# Altium PCB PCB.PcbDoc (part 1 of 2) (continued)
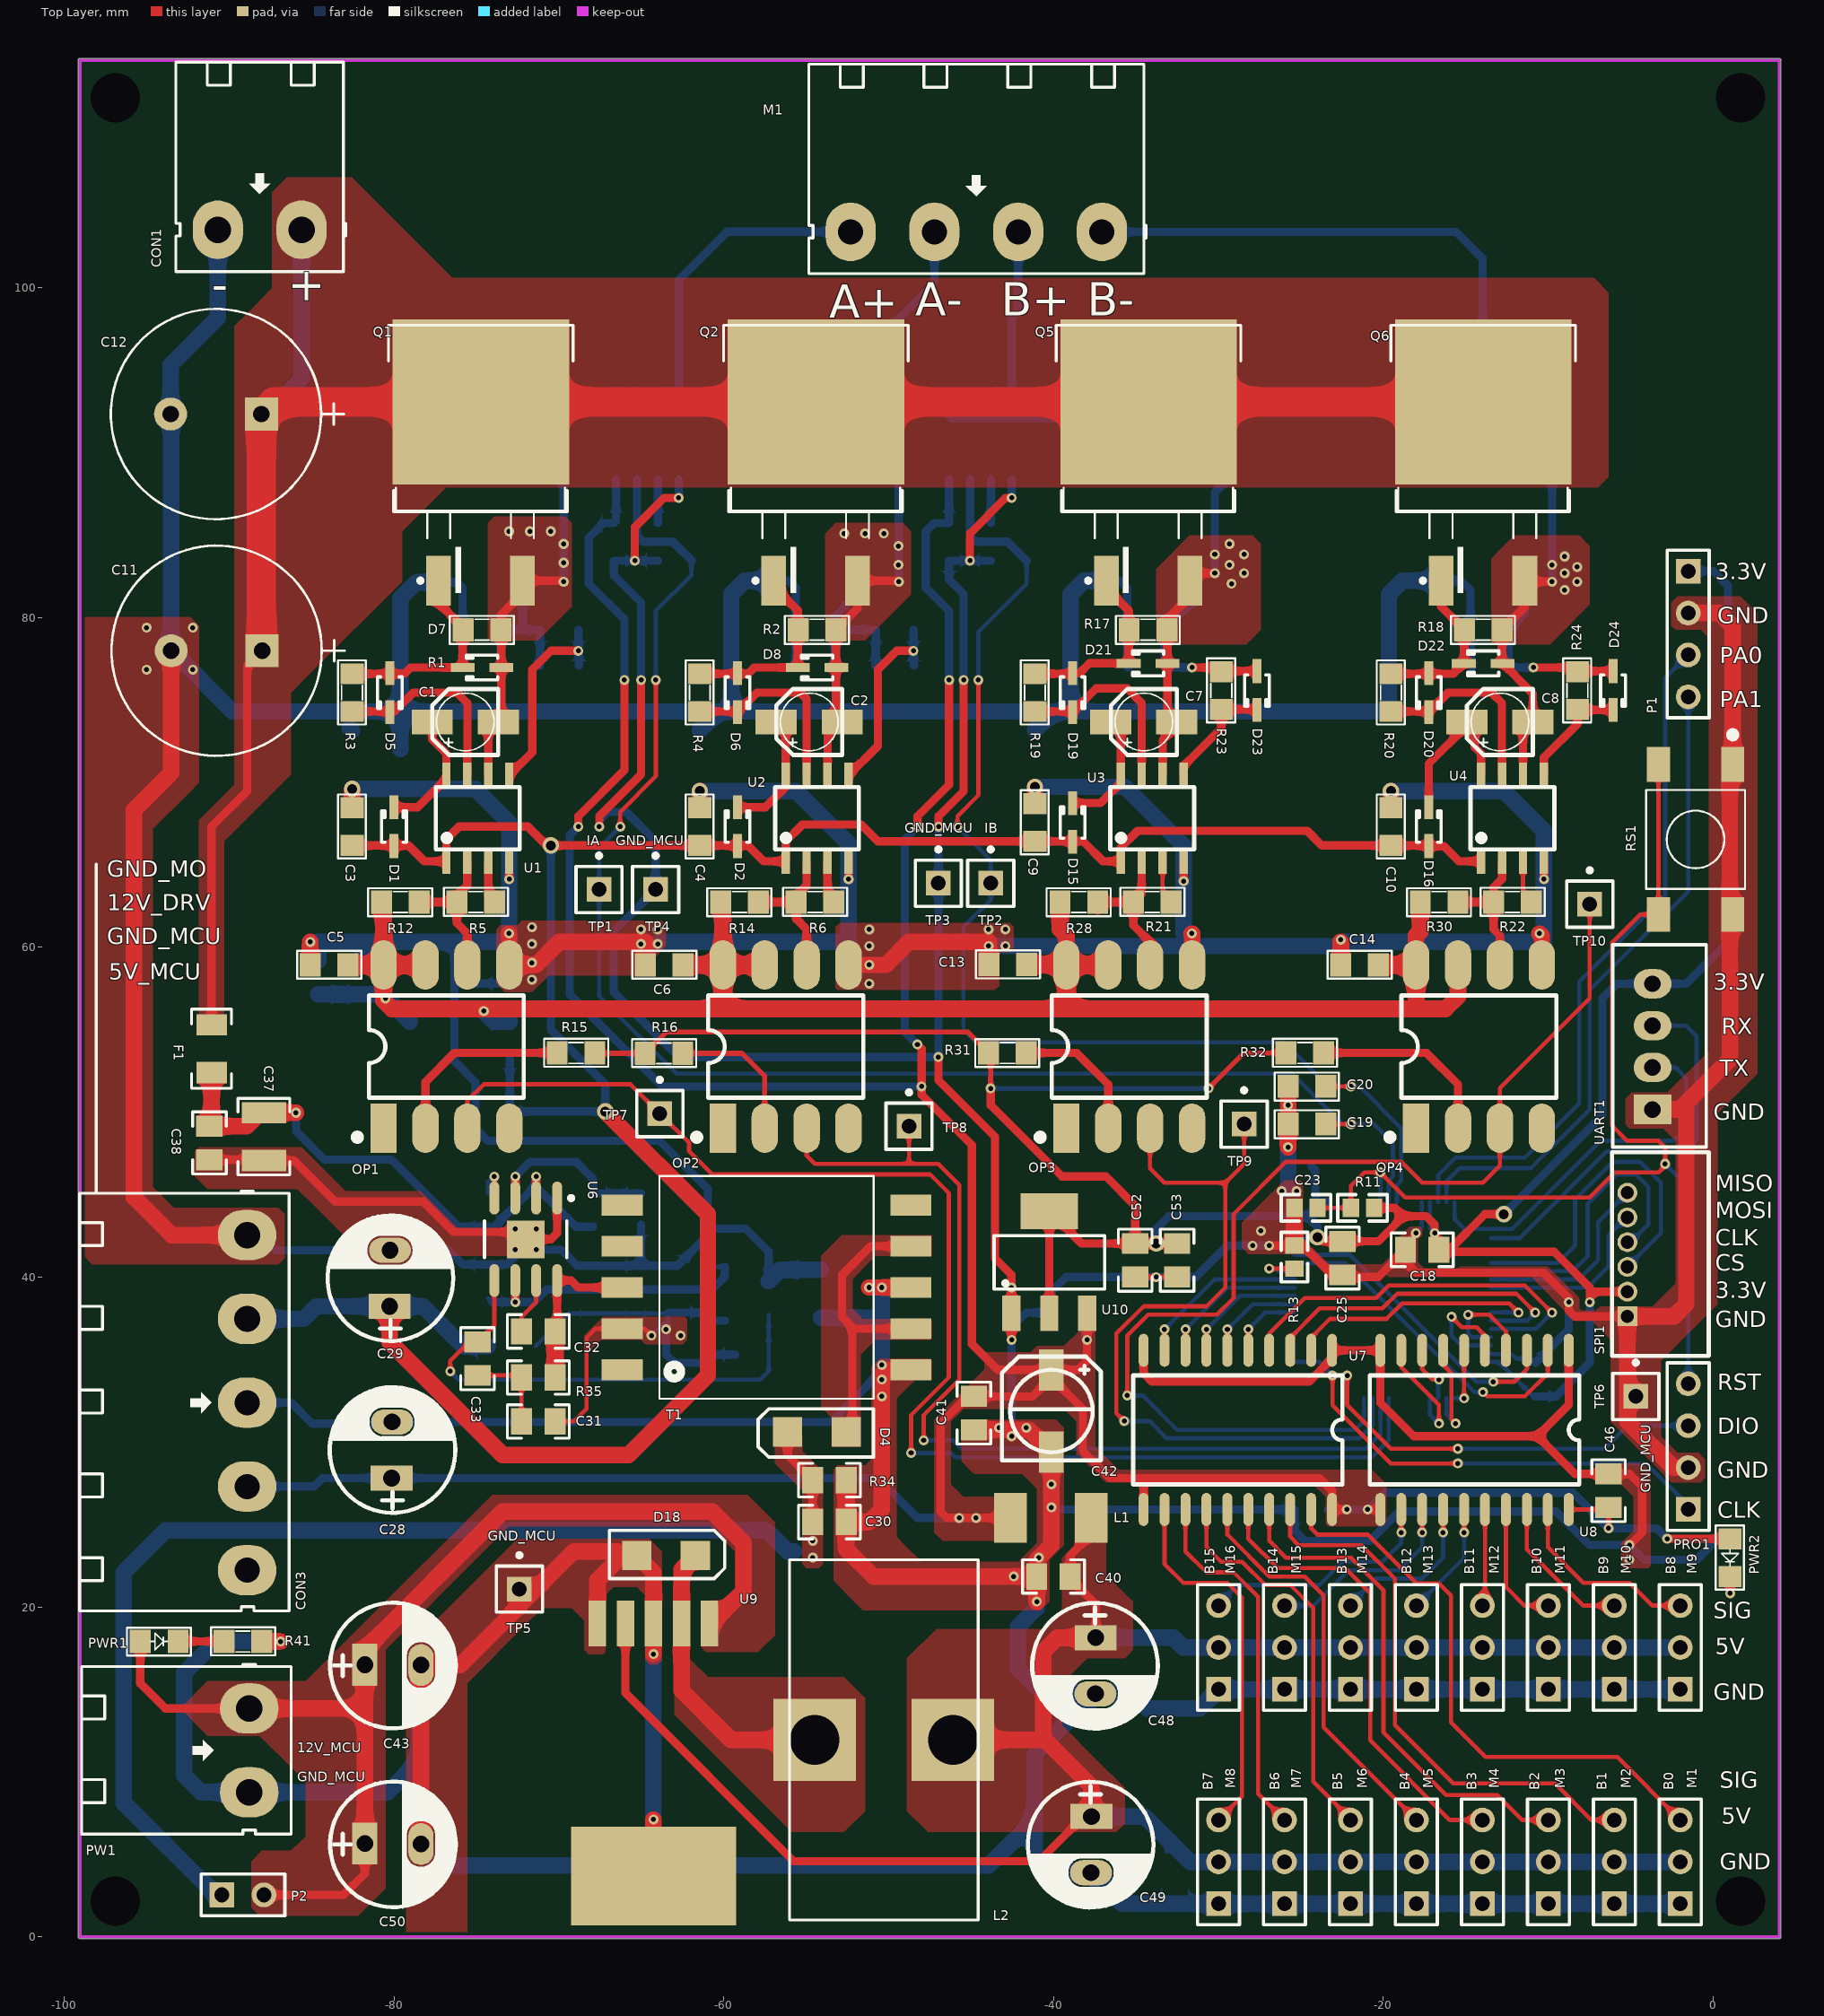
[diagram p0: Top Layer view]
## Footprints (in the part's own frame and the unit in brackets; to place one, negate y for a bottom-side part, rotate by r counter-clockwise, add the part's x,y. Pads: shape width x height; smd on the part's side, far side on the other; paste and mask are expansions set on the pad)
0603_Cap [mm]
  rect 1x1.1 smd: 1(-0.762,0) 2(0.638,0)
  silkscreen extent -1.56,-0.8 1.44,0.8, body extent -0.88,-0.4 0.72,0.4, height 0.8
0603_R [mm]
  rect 1x1.1 smd: 1(-0.7,0) 2(0.7,0)
  silkscreen extent -1.5,-0.8 1.5,0.8, body extent -0.79,-0.38 0.81,0.42, height 0.45
0805_hv [mil] "0805 with 30mil clearance between pads"
  rect 50x63 smd: 1(-40,0) 2(40,0)
  silkscreen extent -74,-40 74,40, body extent -43,-29 43,29, height 57
0805_HV [mil] "0805 with 30mil clearance between pads"
  rect 50x63 smd: 1(-40,0) 2(40,0)
  silkscreen extent -74,-40 74,40, body extent -43,-29 43,29, height 57
1206 [mm] "1206 from SM-752 data"
  rect 1.3x1.85 smd: 1(1.45,0) 2(-1.45,0)
  silkscreen extent -2.4,-1.21 2.4,1.21, body extent -1.7,-0.9 1.7,0.9, height 1.35
1210 [mm] "1210 from SM-752 data"
  rect 1.3x2.7 smd: 1(1.45,0) 2(-1.45,0)
  silkscreen extent -2.32,-1.57 2.32,1.57, body extent -1.7,-1.35 1.7,1.35, height 1.35
"CAP_12.5 X 25" [mm] "0805 with 30mil clearance between pads"
  rect 2x2 hole 1 mask-25.4: 1(-2.756,0)
  round 2 hole 1 mask-25.4: 2(2.756,0)
  silkscreen extent -7.77,-6.37 6.37,6.37, body extent -6.25,-6.24 6.23,6.24, height 24.99
"CON 2 EDG 5.08" [mil]
  oval 120x140 hole 62.99: 1(-100,0) 2(100,0)
  silkscreen extent -205,-400 200,100, body extent -197,-399 197,73, height 334
"Con 4 EDG 5.08" [mil]
  oval 120x140 hole 60: 1(-300,0) 2(-100,0) 3(100,0) 4(300,0)
  silkscreen extent -405,-400 400,100, body extent -396,-402 397,70, height 334
"Con 5 EDG 5.08" [mil]
  oval 120x140 hole 62.99: 1(-400,0) 2(-200,0)
  oval 120x140 hole 60: 3(0,0) 4(200,0) 5(400,0)
  silkscreen extent -505,-400 497,100, body extent -498,-403 498,69, height 334
CP1/3.0 [mil]
  rect 60x100 hole 40: 1(-67,0.5)
  oval 60x100 hole 40: 2(67,-0.5)
  silkscreen extent -150,-152 150,148, body extent -156,-161 159,154, height 453
D2PAK_M_1 [mm]
  rect 3x1.5 smd: 1(-5.225,2.54) 3(-5.225,-2.54)
  rect 10x10.7 smd: 2(5.613,-0.025)
  silkscreen extent -5.97,-5.62 10.27,5.58, body extent -5.97,-5.16 9.77,5.12, height 4.58
HDR1X2 [mm] "Connector; Header; 2 Position"
  rect 1.5x1.5 hole 0.9: 1(0,0)
  round 1.5 hole 0.9: 2(2.54,0)
  silkscreen extent -1.27,-1.27 3.81,1.27
HDR1X3 [mm] "Connector; Header; 3 Position"
  rect 1.5x1.5 hole 0.9: 1(0,0)
  round 1.5 hole 0.9: 2(2.54,0) 3(5.08,0)
  silkscreen extent -1.27,-1.27 6.35,1.27
HDR1X4 [mm] "Connector; Header; 4 Position"
  rect 1.5x1.5 hole 0.9: 1(0,0)
  round 1.5 hole 0.9: 2(2.54,0) 3(5.08,0) 4(7.62,0)
  silkscreen extent -1.27,-1.27 8.89,1.27
"HEADER 4" [mil]
  rect 70x90 hole 39.37 unplated: 1(-150,0)
  oval 70x90 hole 39.37 unplated: 2(-50,0) 3(50,0) 4(150,0)
  silkscreen extent -240,-128 243,95
IND_2118-V-RC [mm] "INDUCTOR,2 LEAD,VERTICAL MOUNT,8.382mm PITCH,TH"
  rect 5x5 hole 3: 1(-4.191,0) 2(4.191,0)
  silkscreen extent -5.71,-10.92 5.71,10.92, body extent -5.71,-10.92 5.71,10.92, height 21.84
"Inductor 4.5x5" [mm]
  rect 2x3 smd: 1(2.2,-0.1) 2(-2.7,-0.1)
  body extent -2.6,-2.6 2.2,2.2, height 2
"Jump 4" [mm]
  rect 1.5x1.5 hole 0.9: 1(-3.81,0)
  round 1.5 hole 0.9: 2(-1.27,0) 3(1.27,0) 4(3.81,0)
  silkscreen extent -5.08,-1.27 5.08,1.27, body extent -5.08,-1.27 5.08,1.27, height 7
LED_0805 [mil]
  rect 50x55 smd: 1(-45,0) 2(45,0)
  silkscreen extent -77,-34 76,33, body extent -41,-16 41,20, height 33
LQFP64 [mm] "LQFP64"
  rect 0.3x1.6 smd: 1(-3.75,-5.95) 2(-3.25,-5.95) 3(-2.75,-5.95) 4(-2.25,-5.95) 5(-1.75,-5.95) 6(-1.25,-5.95) 7(-0.75,-5.95) 8(-0.25,-5.95) 9(0.25,-5.95) 10(0.75,-5.95) 11(1.25,-5.95) 12(1.75,-5.95) 13(2.25,-5.95) 14(2.75,-5.95) 15(3.25,-5.95) 16(3.75,-5.95) 33(3.75,5.95) 34(3.25,5.95) 35(2.75,5.95) 36(2.25,5.95) 37(1.75,5.95) 38(1.25,5.95) 39(0.75,5.95) 40(0.25,5.95) 41(-0.25,5.95) 42(-0.75,5.95) 43(-1.25,5.95) 44(-1.75,5.95) 45(-2.25,5.95) 46(-2.75,5.95) 47(-3.25,5.95) 48(-3.75,5.95)
  rect 1.6x0.3 smd: 17(5.95,-3.75) 18(5.95,-3.25) 19(5.95,-2.75) 20(5.95,-2.25) 21(5.95,-1.75) 22(5.95,-1.25) 23(5.95,-0.75) 24(5.95,-0.25) 25(5.95,0.25) 26(5.95,0.75) 27(5.95,1.25) 28(5.95,1.75) 29(5.95,2.25) 30(5.95,2.75) 31(5.95,3.25) 32(5.95,3.75) 49(-5.95,3.75) 50(-5.95,3.25) 51(-5.95,2.75) 52(-5.95,2.25) 53(-5.95,1.75) 54(-5.95,1.25) 55(-5.95,0.75) 56(-5.95,0.25) 57(-5.95,-0.25) 58(-5.95,-0.75) 59(-5.95,-1.25) 60(-5.95,-1.75) 61(-5.95,-2.25) 62(-5.95,-2.75) 63(-5.95,-3.25) 64(-5.95,-3.75)
  silkscreen extent -4.82,-4.78 4.77,4.8, body extent -6.02,-6 5.98,6, height 1.46
MRA08A_N [mm] "SOIC, 8-Leads, Body 4.9x3.9mm, Pitch 1.27mm, Exposed Pad, IPC Medium Density"
  oval 2x0.6 smd: 1(-2.5,1.905) 2(-2.5,0.635) 3(-2.5,-0.635) 4(-2.5,-1.905) 5(2.5,-1.905) 6(2.5,-0.635) 7(2.5,0.635) 8(2.5,1.905)
  rect 2.29x2.29 smd: 9(0,0)
  silkscreen extent -2.62,-2.5 1.1,2.88, body extent -2,-2.5 2,2.5, height 1.68
PIN1 [mm] "Generic Antenna; 1 Lead"
  rect 1.5x1.5 hole 0.9: 1(0,0)
  silkscreen extent -1.4,-1.4 1.4,2.17
POE13P [mm] "POE13P"
  rect 2.5x1.27 smd paste+0: 1(-8.75,-5) 2(-8.75,-2.5) 3(-8.75,0) 4(-8.75,2.5) 5(-8.75,5) 6(8.75,5) 7(8.75,2.5) 8(8.75,0) 9(8.75,-2.5) 10(8.75,-5)
  silkscreen extent -6.5,-6.75 6.5,6.75
"SMD Button 6X6" [mm]
  rect 2.1x1.4 smd: 1(-5.083,2.174) 2(4.017,2.174) 3(-5.083,-2.326) 4(4.017,-2.326)
  silkscreen extent -7.08,-3.08 2.47,2.92, body extent -5.66,-3.13 4.34,2.87, height 4.98
SMD-8_6.3MM [mm]
  rect 3x1.6 smd: 1(0,0)
  oval 3x1.6 smd: 2(0,-2.54) 3(0,-5.08) 4(0,-7.62) 5(9.901,-7.62) 6(9.901,-5.08) 7(9.901,-2.54) 8(9.901,0)
  silkscreen extent -0.75,-8.51 8.05,1.79, body extent -0.07,-8.76 10.23,1.15, height 5.08
SOD123 [mil]
  rect 70x70 smd: 1(35,25) 2(-105,25)
  silkscreen extent -175,-35 100,80, body extent -139,-29 66,73, height 95
SOD-123 [mm] "On Semi recommended land pattern"
  rect 0.915x1.22 smd: 1(-1.637,0) 2(1.637,0)
  silkscreen extent -2.75,-1.17 2.03,1.17, body extent -1.93,-0.9 1.93,0.9, height 1.35
SOD-323 [mm] "SOD-323/SC-76; 2 Leads; Body 1.7 x 1.3 mm, (LxW)"
  rect 1.45x0.55 smd: 1(-1.175,0) 2(1.175,0)
  silkscreen extent -0.95,-0.75 0.95,0.75
SOIC-20 [mm]
  oval 2x0.6 smd: 1(-4.826,5.715) 2(-4.826,4.445) 3(-4.826,3.175) 4(-4.826,1.905) 5(-4.826,0.635) 6(-4.826,-0.635) 7(-4.826,-1.905) 8(-4.826,-3.175) 9(-4.826,-4.445) 10(-4.826,-5.715) 11(4.826,-5.715) 12(4.826,-4.445) 13(4.826,-3.175) 14(4.826,-1.905) 15(4.826,-0.635) 16(4.826,0.635) 17(4.826,1.905) 18(4.826,3.175) 19(4.826,4.445) 20(4.826,5.715)
  silkscreen extent -3.3,-6.35 3.3,6.35, body extent -5.31,-6.5 5.31,6.5, height 2.56
"SOP 8" [mil]
  rect 20x60 smd: 1(-75,-102.5) 2(-25,-102.5) 3(25,-102.5) 4(75,-102.5) 5(75,102.5) 6(25,102.5) 7(-25,102.5) 8(-75,102.5)
  silkscreen extent -100,-74 100,74, body extent -98,-120 100,117, height 63
SOT223 [mm] "SOT-223/SC-73; 4 Leads; Body 6.7 x 7.3 mm, inc. leads (LxW max)"
  rect 1.1x2.15 smd: 1(-2.3,-3.1) 2(0,-3.1) 3(2.3,-3.1)
  rect 3.5x2.15 smd: 4(0,3.1)
  silkscreen extent -3.35,-1.63 3.35,1.63, body extent -3.43,-1.65 3.43,1.65, height 2.54
TO263-5 [mm] "LM2576-SMD"
  rect 1.07x2.75 smd: 1(-3.4,-0.025) 2(-1.7,-0.025) 3(0,-0.025) 4(1.7,-0.025) 5(3.4,-0.025)
  rect 10x6 smd: 6(0,15.289)
  body extent -5,-0.38 5,15.29, height 4.79
"Tro SMD 0805" [mil]
  rect 50x55 smd: 1(-45,0) 2(45,0)
  silkscreen extent -77,-34 76,33, body extent -45,-27 45,27, height 28
TU_NHOM_2.5_MH [mm]
  rect 1.5x2.5 smd: 1(0,2.5) 2(0,-2.5)
  silkscreen extent -3,-3 3,3.3, body extent -3.3,-3.5 3.3,3.5, height 8.11
TU_NHOM_10uF_MH [mm]
  rect 1.5x2.5 smd: 1(0,-2) 2(0,2)
  silkscreen extent -2,-2 2,2, body extent -2.15,-2.5 2.15,2.5, height 5.4
TU_SMD_0805 [mil]
  rect 50x55 smd: 1(-45,0) 2(45,0)
  silkscreen extent -77,-34 76,33, body extent -40,-25 40,25, height 24
"ZH 1.5 6P" [mm]
  rect 1.2x1.2 hole 0.8: 1(-3.749,0)
  round 1.2 hole 0.8: 2(-2.25,0) 3(-0.749,0) 4(0.749,0) 5(2.25,0) 6(3.749,0)
  silkscreen extent -6.15,-4.93 6.2,0.94, body extent -5.96,-4.75 6.04,0.25, height 3.71

## Part data
C1 C2 C7 C8: library part TU_NHOM_10uF_25V_MH, "TU_NHOM_10uF_25V_MH"
C3 C4 C5 C6 C9 C10 C13 C14 C15 C16 C17 C18 C19 C20 C21 C22 C23 C24 C25: library part "Capacitor 0805", "Ceramic Chip Capacitor - Standard"
C11 C12: library part "Capacitor TuHoa", "CAP ALUM 390UF 20% 50V RADIAL"
C26 C27 C40 C41 C44 C45 C46 C47 C51 C52 C53 C54: library part CM, "Cap SMD"
C28 C29 C43 C48 C49 C50: library part "Capacitor TuHoa"
C30: "CAP, CERM, 2.2 µF, 16 V, +/- 10%, X7R, 0805"
C31 C32: "CAP, CERM, 0.01 µF, 25 V, +/- 5%, C0G/NP0, 0603"
C33: "CAP, CERM, 1000 pF, 25 V, +/- 5%, C0G/NP0, 0603"
C34 C35: "CAP, CERM, 10 µF, 25 V, +/- 20%, X7R, 1210"
C36: "CAP, CERM, 1 µF, 16 V, +/- 10%, X5R, 0603"
C37: "CAP, CERM, 1 µF, 100 V, +/- 10%, X7R, 1210"
C38: "CAP, CERM, 0.1 µF, 100 V, +/- 10%, X7R, 0805"
C39: "CAP, CERM, 1000 pF, 1000 V, +/- 5%, C0G/NP0, 1210"
C42: library part TU_NHOM_220uF_25V_MH, "TU_NHOM_220uF_25V_MH"
CON1 PW1: "CON 2 EDG 5.08 (xanh cong)"
CON3: "CON 5 EDG 5.08 (xanh cong)"
D1 D2 D5 D6 D7 D8 D9 D10 D13 D14 D15 D16 D19 D20 D21 D22 D23 D24 D27 D28: library part MMDL914-TP, "Diode, Switching, 100 V, 0.2 A, SOD-323"
D4 D18: library part "Diode S4 SOD123 ( 1N5819 SOD123)_MH", "Diode S4 SOD123 ( 1N5819 SOD123)"
D17: "Diode, Schottky, 45 V, 0.1 A, SOD-523"
F1 F2: library part Res-SMD, "Resistor"
L1: library part "Inductor 4.5x5_MH"
L2: library part "Inductor Lm2576_MH", "cuon cam"
M1: library part "Header 4", "Header, 4-Pin"
M1 M2 M3 M4 M5 M6 M7 M8 M9 M10 M11 M12 M13 M14 M15 M16: "Header, 3-Pin"
OP1 OP2 OP3 OP4: library part 6N137, "6N137 DIP8 Opto 10Mbit/s"
P1: "Header, 4-Pin"
P2: library part "Header 2", "Header, 2-Pin"
PRO1 UART1: "Jump 4P 2.54"
PWR1 PWR2: library part "LED SMD_0805_MH", "LED 3mm"
Q1 Q2 Q3 Q4 Q5 Q6 Q7 Q8: "HEXFET Power MOSFET"
R1 R2 R3 R4 R5 R6 R7 R8 R9 R10 R11 R12 R13 R14 R15 R16 R17 R18 R19 R20 R21 R22 R23 R24 R25 R26 R28 R30 R31 R32: library part "R nho", "RES, 100, 1%, 0.1 W, 0402"
R34: "RES, 2.00 k, 1%, 0.1 W, 0603"
R35: "RES, 40.2 k, 1%, 0.1 W, 0603"
R36: "RES, 100 k, 1%, 0.1 W, 0603"
R37: "RES, 301 k, 1%, 0.063 W, 0603"
R38: "RES, 140 k, 0.5%, 0.1 W, 0603"
R39: "RES, 8.87 k, 1%, 0.1 W, 0603"
R40: "RES, 20.0 k, 1%, 0.1 W, 0603"
R41 R42: library part TRO_SMD_0805_MH, "TRO_SMD_0805_MH"
RS1: library part "SMD Button 6X6", "FSM4JSMA=SMT,TACTILE,PB SWITCH"
SPI1: "Jump 6P 2.54"
T1: library part POE13, "XFMR, SMT 45uH, 750314459"
TP1 TP2 TP3 TP4 TP5 TP6 TP7 TP8 TP9 TP10: library part Antenna, "Generic Antenna"
U1 U2 U3 U4: "High and Low Side Driver"
U5: library part "STM32F051R8T6 LQFP64 _MH", "STM32F051R8T6 LQFP64 _MH"
U6: "100V Constant On-Time PFET Buck Switching Controller, 8-pin PSOP, Pb-Free"
U7 U8: library part "74HC573 DIP20 IC Flip-Flop_MH", "Octal D-Type Latch with 3-State Output Non-Inverting"
U9: library part "LM2576HVS-5.0V BUCK 5V 3A TO263-5 _MH", "LM2576HVS-5.0V BUCK 5V 3A TO263-5 _MH"
U11: library part "AMS1117-3.3V SOT223 _MH", "AMS1117-3.3V SOT223 _MH"

## Free pads (board coordinates)
  round 2.3 hole 3 paste+0: 0(1.651,2.159) 1(1.651,111.506) 2(-96.901,111.506) 3(-96.901,2.159)

## Via types
v1: diameter 0.6, hole 0.3, Top Layer to Bottom Layer, tented both sides, 170 vias
v2: diameter 1, hole 0.6, Top Layer to Bottom Layer, tented both sides, 9 vias

## Nets (pads, with @x,y where several pads share a name; then routed paths per layer and width w, separated by ;. In a path a pad name is that pad's centre, name@x,y a point inside that pad or via, vN(x,y) a via of type N, cw(c..) or ccw(c..) an arc to the next point about the centre after c; other vN are vias at no path point)
5V: C16.2 C22.2 C28.1 C41.2 C42.1 C45.2 C46.2 C51.2 CON3.4 Hall1.8 Hall2.8 L1.2 PWR2.1 U7.11 U7.20 U8.11 U8.20 U10.3 | length 246.8
  Top Layer w0.254: U8.20@-8.763,25.908 -6.477,25.908 C46.2@-6.35,26.035 v1(-6.35,24.765)
  Top Layer w0.5: v1(-68.819,67.31) -68.819,67.945 -66.025,70.739 v1(-66.025,76.2) ; v1(-48.26,54.102) -48.006,53.848 v1(-48.006,51.562) -48.006,51.054 -44.958,48.006 -44.958,35.941 -43.394,34.377 C42.1@-40.132,34.377 ; v1(-48.245,67.31) -48.245,67.945 -46.34,69.85 v1(-46.34,76.2) ; L1.2@-42.619,25.4 v1(-44.704,25.4) v1(-45.72,25.4) -46.482,25.4 -46.863,25.781 -46.863,31.115 -45.212,32.766 C41.2@-44.831,32.766 -41.275,32.766 C42.1@-40.132,33.909 ; U10.3@-37.959,37.794 -37.959,36.209 v1(-37.973,36.195) -37.973,34.925 -38.521,34.377 C42.1@-40.132,34.377 ; U7.11@-34.544,25.908 -34.544,27.813 ; v1(-22.225,25.908) U7.20@-23.114,25.908 -23.114,27.051 -23.876,27.813 -34.544,27.813 ; v1(-20.955,25.908) U8.11@-20.193,25.908 ; v1(-2.794,24.13) PWR2.1@1.016,24.13 ; C42.1@-40.132,33.909 -38.227,32.004 -38.227,29.464 -36.576,27.813 -34.544,27.813 ; C42.1@-40.132,33.909 C42.1@-40.132,34.377
  Bottom Layer w0.5: CON3.4@-88.9,27.305 -84.836,27.305 -84.328,27.813 C28.1@-80.137,27.813 -50.673,27.813 -48.26,25.4 v1(-45.72,25.4) v1(-44.704,25.4) ; v1(-68.819,67.31) -69.342,66.787 -69.342,57.15 -63.754,51.562 v1(-48.006,51.562) ; Hall1.8@-66.533,88.392 -66.533,85.852 C16.2@-66.66,85.725 -67.295,85.725 -68.184,84.836 -68.184,82.042 -66.025,79.883 v1(-66.025,76.2) ; v1(-48.26,54.102) -49.022,54.864 -49.022,66.533 v1(-48.245,67.31) ; v1(-46.34,76.2) -46.34,80.391 -47.752,81.803 -47.752,85.202 -47.229,85.725 C22.2@-46.34,85.725 Hall2.8@-46.34,88.392 ; C51.2@-38.1,37.846 -38.1,36.322 v1(-37.973,36.195) ; C45.2@-23.368,25.908 v1(-22.225,25.908) v1(-20.955,25.908) -19.939,26.924 -8.509,26.924 v1(-6.35,24.765) -3.429,24.765 v1(-2.794,24.13)
12V: C43.1 C50.1 P2.2 PW1.1 PWR1.1 U9.1 | length 69.4
  Top Layer w0.5: P2.2@-87.884,2.54 -83.058,2.54 -81.763,3.835 C50.1@-81.763,5.652
  Top Layer w0.508: PWR1.1@-95.377,17.907 -95.377,15.367 -93.853,13.843 PW1.1@-88.773,13.843
  Top Layer w1: PW1.1@-88.773,13.843 -81.763,13.843 ; C50.1@-81.763,5.652 -81.763,13.843 ; C43.1@-81.763,15.875 -81.763,13.843 ; C43.1@-81.763,16.498 -81.763,17.424 -73.406,25.781 -60.706,25.781 -58.801,23.876 -58.801,20.955 -60.759,18.997 U9.1@-60.862,18.997
+3.3V: C17.2 C18.2 C24.1 C25.2 C52.2 C53.2 P1.1 R11.2 R15.1 R16.2 R31.1 R32.2 SPI1.2 U5.1 U5.13 U5.32 U5.64 U10.2 U10.4 UART1.4 | length 186.2
  Top Layer w0.254: v1(-16.891,42.672) -16.637,42.418 C18.2@-16.637,41.656
  Top Layer w0.3: R15.1@-67.818,53.594 -67.793,53.569 R16.2@-64.77,53.569 -63.475,54.864 -45.212,54.864 R31.1@-43.942,53.594 -43.815,53.467 v1(-43.815,51.435) ; v1(-30.607,51.435) -28.448,53.594 R32.2@-25.908,53.594
  Top Layer w0.5: v1(-43.815,51.435) -43.815,50.419 -39.497,46.101 -36.83,46.101 -35.052,44.323 C52.2@-35.052,42.037 ; U10.2@-40.259,37.794 U10.4@-40.259,43.994 -38.302,42.037 C52.2@-35.052,42.037 ; C53.2@-32.512,42.037 C52.2@-35.052,42.037 ; v2(-24.003,42.418) -23.749,42.164 C25.2@-22.479,42.164 -20.32,42.164 -18.796,43.688 ; R11.2@-20.571,44.196 -19.304,44.196 -18.796,43.688 ; C18.2@-16.637,41.656 -16.002,41.656 -13.843,43.815 v2(-12.7,43.815) ; v1(-7.493,38.481) -7.493,39.116 ; SPI1.2@-5.207,39.116 -7.493,39.116 ; -18.796,43.688 -17.399,43.688 -16.891,43.18 v1(-16.891,42.672) -16.891,41.783 -16.637,41.529 -9.652,41.529 -7.493,39.37 -7.493,39.116
  Bottom Layer w0.254: U5.64@-25.381,42.358 -24.063,42.358 v2(-24.003,42.418) ; U5.13@-17.181,44.558 -17.181,42.962 v1(-16.891,42.672) ; U5.32@-13.481,34.858 -13.014,34.858 -10.922,32.766 C24.1@-10.795,32.766
  Bottom Layer w0.3: v1(-43.815,51.435) v1(-30.607,51.435) ; -24.257,44.577 -24.238,44.558
  Bottom Layer w0.5: v2(-33.782,42.037) -33.782,42.926 -33.02,43.688 -24.638,43.688 ; C17.2@-24.381,46.736 -24.13,46.485 -24.13,44.704 -24.257,44.577 -24.257,44.069 -24.638,43.688 ; -24.238,44.558 -23.338,44.558 ; v2(-24.003,42.418) -24.003,43.053 -24.638,43.688 ; v2(-12.7,43.815) -6.731,49.784 -6.731,56.896 -5.842,57.785 UART1.4@-3.683,57.785 -1.651,57.785 0.889,60.325 0.889,81.915 0,82.804 P1.1@-1.524,82.804 ; C24.1@-10.795,32.766 -9.525,32.766 -7.493,34.798 v1(-7.493,38.481)
AH1: C1.2 D7.2 Hall1.1 Hall1.2 Q1.3 Q3.2 R1.2 U1.6 | length 37.8
  Top Layer w0.5: U1.6@-74.28,70.421 -74.28,73.057 C1.2@-73.677,73.66 -73.486,73.851 D7.2@-73.486,76.962 -73.486,80.169 -72.212,81.443 Q1.3@-72.212,82.227 -69.766,82.227 v1(-69.708,82.169)
  Bottom Layer w0.5: v1(-69.708,82.169) v1(-69.708,83.312) v1(-69.708,84.455) -69.708,87.92 Q3.2@-74.752,92.964 -74.117,93.599 Hall1.1@-66.533,93.599 Hall1.2@-65.263,93.599
  other v1: -73.025,85.217 -71.755,85.217 -70.485,85.217
BH1: C7.2 D21.2 Hall2.1 Hall2.2 Q5.3 Q7.2 R17.2 U3.6 | length 43.1
  Top Layer w0.5: U3.6@-33.386,70.421 -33.386,72.549 -32.275,73.66 -33.1,74.485 D21.2@-33.1,77.216 -33.1,79.915 -31.725,81.29 Q5.3@-31.725,82.227 -31.275,82.677 v1(-30.226,82.677)
  Bottom Layer w0.5: Hall2.1@-46.34,93.662 Hall2.1@-46.34,93.599 -46.34,92.202 -46.213,92.075 -45.07,92.075 ; Hall2.2@-45.07,93.662 Hall2.2@-45.07,93.599 -45.07,92.075 ; v1(-30.226,82.677) v1(-30.226,83.82) -30.226,87.564 -29.507,88.283 Q7.2@-34.29,93.066 -35.281,92.075 -45.07,92.075
  other v1: -29.21,82.042 -28.448,82.677 -29.337,83.185 -28.448,83.82 -29.337,84.455
BOOT: R13.2 U5.60 | length 3.1
  Top Layer w0.254: v1(-26.924,40.513) R13.2@-25.4,40.513
  Bottom Layer w0.254: v1(-26.924,40.513) -26.543,40.513 -26.388,40.358 U5.60@-25.381,40.358
DRV_12V: C3.2 C4.2 C9.2 C10.2 C26.2 C29.1 CON3.2 D1.2 D2.2 D15.2 D16.2 F2.2 U1.1 U2.1 U3.1 U4.1 U11.3 | length 163.2
  Top Layer w0.508: C3.2@-82.535,66.167 -79.106,66.167 -78.153,65.215 U1.1@-76.82,65.215 -76.82,66.548 -76.058,67.31 -71.867,67.31 -70.724,66.167 v2(-70.485,66.167) C4.2@-61.453,66.167 -58.532,66.167 -57.579,65.215 U2.1@-56.246,65.215 -56.246,66.421 -55.23,67.437 -51.674,67.437 -50.658,66.421 C9.2@-41.133,66.421 -38.212,66.421 -37.005,65.215 U3.1@-35.926,65.215 -35.926,66.04 -34.91,67.056 -24.623,67.056 -23.734,66.167 C10.2@-19.543,66.167 -17.289,66.167 D16.2@-17.257,66.135 -16.336,66.135 -15.415,65.215 U4.1@-14.082,65.215
  Top Layer w1: C29.1@-80.264,38.227 -80.264,36.068 -73.406,29.21 -65.786,29.21 -60.96,34.036 -60.96,43.815 v2(-67.183,50.038)
  Bottom Layer w0.508: U11.3@-72.973,53.199 -72.973,50.09 C26.2@-73.025,50.038 v2(-67.183,50.038) -67.183,51.689 -70.485,54.991 v2(-70.485,66.167)
  Bottom Layer w1: CON3.2@-88.9,37.465 -85.471,37.465 -84.709,38.227 C29.1@-80.264,38.227 -78.232,38.227 -75.819,35.814 F2.2@-74.295,35.814
GND_MCU: C15.1 C16.1 C17.1 C18.1 C19.1 C20.1 C21.1 C22.1 C23.1 C24.2 C25.1 C28.2 C30.2 C39.1 C40.1 C41.1 C42.2 C43.2 C44.1 C45.1 C46.1 C47.1 C48.2 C49.2 C50.2 C51.1 C52.1 C53.1 CON3.3 D18.1 Hall1.5 Hall2.5 M1.1@-2,2 M2.1 M3.1 M4.1 M5.1 M6.1 M7.1 M8.1 M9.1 M10.1 M11.1 M12.1 M13.1 M14.1 M15.1 M16.1 P1.2 PRO1.2 PW1.2 R13.1 R34.1 R41.1 R42.1 RS1.1 RS1.2 SPI1.1 T1.8 T1.10 TP3.1 TP4.1 TP5.1 TP6.1 U5.12 U5.31 U5.63 U7.1 U7.10 U8.1 U8.10 U9.3 U9.5 U9.6 U10.1 UART1.1 | length 680.2
  Top Layer w0.254: C52.1@-35.052,40.005 C53.1@-32.512,40.005 ; C18.1@-18.669,41.529 C18.1@-18.669,41.656 -18.669,42.037 v1(-18.034,42.672)
  Top Layer w0.5: v1(-67.549,67.31) -67.549,67.945 -65.009,70.485 v1(-65.009,76.2) ; v1(-65.39,83.439) -65.39,85.471 -63.612,87.249 v1(-62.738,87.249) ; v1(-46.99,53.34) -46.99,51.943 -43.561,48.514 -43.561,41.148 -42.559,40.146 v1(-42.559,39.366) U10.1@-42.559,37.794 -42.559,36.209 v1(-42.545,36.195) ; v1(-46.975,67.31) -46.975,67.945 -45.451,69.469 v1(-45.451,76.2) ; v1(-45.07,83.439) -45.07,85.09 -42.911,87.249 v1(-42.545,87.249) ; U7.10@-34.544,35.56 -34.544,34.163 -34.036,33.655 -24.511,33.655 -23.839,34.327 -23.839,34.345 -23.634,34.549 -23.634,34.551 -23.399,34.786 -23.38,34.786 -23.114,35.052 U7.1@-23.114,35.56 U8.10@-20.193,35.56 -20.193,32.385 -18.161,30.353 -10.668,30.353 ; v1(-26.924,41.91) -26.921,41.913 R13.1@-25.4,41.913 -24.895,41.913 -22.987,40.005 -20.32,40.005 -18.796,41.529 -18.669,41.529 -18.669,40.894 -18.034,40.259 -10.287,40.259 -8.763,38.735 v1(-8.763,38.481) -8.763,37.973 -8.407,37.617 SPI1.1@-5.207,37.617 ; U8.1@-8.763,35.56 -8.763,32.258 -10.668,30.353 ; v1(-5.08,23.749) -4.318,24.511 -4.318,27.305 -5.08,28.067 C46.1@-6.35,28.067 -8.382,28.067 -10.668,30.353
  Top Layer w1: R41.1@-88.011,17.907 v1(-86.868,17.907) ; C50.2@-78.359,5.627 C43.2@-78.359,16.472 -75.984,16.472 -69.088,23.368 -66.421,23.368 D18.1@-66.167,23.114 ; U9.5@-67.662,18.997 -67.662,21.619 D18.1@-66.167,23.114 ; U9.6@-64.262,3.683 v1(-64.262,7.112) ; v1(-64.262,17.145) U9.3@-64.262,18.997 -64.262,22.098 D18.1@-65.278,23.114 D18.1@-66.167,23.114 ; R34.1@-52.578,27.686 C30.2@-52.578,25.146 ; v1(-51.197,39.37) v1(-50.419,39.37) T1.8@-48.654,39.37 ; T1.10@-48.654,34.37 -50.085,34.37 -50.419,34.036 v1(-50.419,33.782) v1(-50.419,32.766) -50.419,25.908 -51.181,25.146 C30.2@-52.578,25.146 ; C41.1@-44.831,30.734 -42.545,30.734 -41.489,30.734 C42.2@-40.132,29.377 v1(-40.132,27.432) v1(-40.132,26.035) -40.132,23.749 v1(-40.894,22.987) -41.021,22.86 C40.1@-41.021,21.844 ; v1(-41.021,20.32) C40.1@-41.021,21.844 ; v1(-25.781,47.879) C19.1@-25.781,49.276 v1(-25.781,50.419) C20.1@-25.781,51.562 ; R13.1@-25.4,41.913 C23.1@-25.4,44.196 ; UART1.1@-3.683,50.165 -2.032,50.165 -1.636,50.561 ; PRO1.2@-1.524,28.448 -2.413,28.448 -5.207,31.242 SPI1.1@-5.207,37.617 -2.388,37.617 -1.636,38.369 -1.636,50.561 ; P1.2@-1.524,80.264 0.381,80.264 1.174,79.471 RS1.1@1.174,71.083 1,70.91 1,59 1.016,58.984 1.016,53.213 -1.636,50.561 ; C30.2@-52.578,25.146 -52.578,23.495 -50.927,21.844 v1(-42.418,21.844) C40.1@-41.021,21.844
  Bottom Layer w0.254: v1(-26.924,41.91) v1@-26.872,41.858 ; v1(-18.034,42.672) -17.681,43.025 U5.12@-17.681,44.558 ; U5.31@-13.481,35.358 -13.458,35.335 -12.221,35.335 -11.938,35.052 -11.049,35.052 C24.2@-10.795,34.798
  Bottom Layer w0.3: v1@-26.872,41.858 U5.63@-25.381,41.858
  Bottom Layer w0.5: CON3.3@-88.9,32.385 -86.233,32.385 -84.963,31.115 -80.213,31.115 C28.2@-80.112,31.217 -53.492,31.217 -50.419,34.29 ; v1(-67.549,67.31) -67.549,67.706 -67.056,68.199 -65.913,68.199 -64.135,66.421 TP4.1@-64.135,63.5 -66.675,60.96 -66.675,57.277 -62.738,53.34 v1(-46.99,53.34) -46.975,53.34 v1(-46.975,67.31) ; v1(-65.009,76.2) -65.009,80.899 -66.66,82.55 C16.1@-66.66,83.439 v1(-65.39,83.439) C15.1@-63.993,83.439 ; v1(-62.738,87.249) -62.723,87.264 Hall1.5@-62.723,88.392 ; v1(-45.451,76.2) -45.451,81.407 -46.34,82.296 C22.1@-46.34,83.439 v1(-45.07,83.439) C21.1@-43.8,83.439 ; v1(-43.307,30.861) -43.18,30.861 -43.053,30.734 -42.545,31.242 v1(-42.545,36.195) -42.545,36.957 -41.656,37.846 C51.1@-40.132,37.846 -40.132,39.116 -39.243,40.005 v1(-33.782,40.005) -31.369,40.005 -29.464,41.91 v1(-27.94,41.91) v1(-26.924,41.91) ; v1(-42.545,87.249) -42.53,87.264 Hall2.5@-42.53,88.392 ; v1(-40.132,27.432) v1(-40.132,26.035) -40.005,25.908 C45.1@-25.4,25.908 -25.4,24.638 -24.765,24.003 -20.828,24.003 -19.05,25.781 -9.525,25.781 -7.493,23.749 v1(-5.08,23.749) -4.191,22.86 -1.016,22.86 0.254,24.13 R42.1@1.016,24.13 ; C24.2@-10.795,34.798 -8.763,36.83 v1(-8.763,38.481)
  Bottom Layer w1: v1(-86.868,17.907) -90.805,17.907 -92.71,16.002 -92.71,9.779 -91.694,8.763 PW1.2@-88.773,8.763 -80.391,8.763 -78.486,10.668 ; C43.2@-78.359,16.472 -78.486,16.345 -78.486,10.668 ; v1(-64.262,7.112) v1(-64.262,17.145) ; C39.1@-54.102,37.539 -50.599,37.539 -50.419,37.719 ; -50.419,34.29 v1(-50.419,34.671) -50.419,37.719 ; v1(-50.419,39.37) -50.419,37.719 ; v1(-41.021,20.32) -41.021,19.939 -42.164,18.796 -42.164,16.256 -40.64,14.732 C48.2@-37.465,14.732 ; -25.781,45.339 C17.1@-25.781,46.736 v1(-25.781,47.879) v1(-25.781,50.419) ; M1.1@-2,2 M2.1@-6,2 M3.1@-10,2 M4.1@-14,2 M5.1@-18,2 M6.1@-22,2 M7.1@-26,2 M8.1@-30,2 -35.846,2 C49.2@-37.732,3.886 -40.081,3.886 -41.148,4.953 -41.148,7.112 ; M9.1@-2,15 M10.1@-6,15 M11.1@-10,15 M12.1@-14,15 M13.1@-18,15 M14.1@-22,15 M15.1@-26,15 M16.1@-30,15 -31.157,13.843 -34.29,13.843 -35.179,14.732 C48.2@-37.465,14.732 ; -78.486,10.668 -78.486,5.754 C50.2@-78.359,5.627 -77.05,4.318 -43.942,4.318 -41.148,7.112 ; -41.148,7.112 -41.148,11.049 C48.2@-37.465,14.732
  other v1: -5.08,22.86 -42.545,30.353 -41.656,30.861 -27.432,42.799 -26.162,45.212 -25.273,45.212
GND_MO: C3.1 C4.1 C5.2 C6.2 C9.1 C10.1 C11.2 C12.2 C13.2 C14.2 C26.1 C27.1 C29.2 C34.2 C35.2 C36.2 C37.2 C38.2 C39.2 C54.1 CON1.2 CON3.1 D13.2 D14.2 D27.2 D28.2 OP1.5 OP2.5 OP3.5 OP4.5 Q3.3 Q4.3 Q7.3 Q8.3 R9.2 R10.2 R25.2 R26.2 R39.1 R40.1 U1.4 U2.4 U3.4 U4.4 U6.1 U6.9 U11.1 | length 483.2
  Top Layer w0.5: C38.2@-91.186,47.117 -87.937,47.117 C37.2@-87.884,47.064 -86.053,47.064 -83.566,44.577 -78.232,44.577 -76.391,42.735 -72.453,42.735 U6.9@-72.009,42.291 -70.485,42.291 -70.104,42.672 U6.1@-70.104,44.791 ; v1(-73.01,64.135) U1.4@-73.01,65.215 ; v1@-52.436,64.191 U2.4@-52.436,65.215 ; v1@-32.116,64.191 U3.4@-32.116,65.215 ; v1@-10.272,64.191 U4.4@-10.272,65.215
  Top Layer w1: C11.2@-93.508,77.978 -93.508,70.576 -95.758,68.326 -95.758,44.831 -93.472,42.545 CON3.1@-88.9,42.545 ; C5.2@-85.075,58.928 v1(-85.075,60.325) ; C3.1@-82.535,68.453 v2(-82.535,69.596) ; v1(-73.025,60.833) -73.01,60.818 OP1.5@-73.01,58.928 -71.374,58.928 -69.977,60.325 -64.755,60.325 C6.2@-64.755,58.928 ; C4.1@-61.453,68.453 v2(-61.453,69.469) ; OP2.5@-52.436,58.928 v1(-51.181,58.928) -50.165,58.928 -48.768,60.325 -43.927,60.325 C13.2@-43.927,58.953 ; C9.1@-41.133,68.707 v2(-41.133,69.723) ; v1(-31.623,60.833) -31.608,60.818 OP3.5@-31.608,58.928 ; C14.2@-22.591,58.928 v1@-22.591,60.325 ; C10.1@-19.543,68.453 v2(-19.543,69.469) ; v1(-10.541,60.833) -10.399,60.691 OP4.5@-10.399,58.928
  Bottom Layer w0.5: CON3.1@-88.392,42.799 -87.224,41.631 C29.2@-80.239,41.631 -76.683,41.631 -75.819,40.767 C36.2@-74.295,40.767 -73.152,40.767 -72.644,41.275 v1(-72.644,41.656) v1(-71.374,41.656) -69.85,41.656 -68.887,40.693 C35.2@-67.31,40.693 -65.024,40.693 ; Q3.3@-77.267,82.126 -76.157,82.126 -75.836,81.805 D13.2@-75.836,76.962 ; -76.327,60.325 -76.327,57.785 ; U11.1@-72.973,57.799 -76.313,57.799 -76.327,57.785 ; R39.1@-65.024,43.18 -65.024,40.693 ; R40.1@-57.277,39.751 -57.277,41.529 -58.674,42.926 -60.96,42.926 ; Q4.3@-56.972,82.227 -56.065,82.227 -55.635,81.797 D14.2@-55.635,76.962 ; Q7.3@-36.805,82.227 -35.999,82.227 -35.545,81.773 R25.2@-35.545,79.248 -35.545,77.039 D27.2@-35.468,76.962 ; Q8.3@-16.51,82.227 -15.298,82.227 -14.717,81.646 R26.2@-14.717,79.248 -14.717,77.057 D28.2@-14.622,76.962 ; -76.327,57.785 -76.327,53.086 -75.057,51.816 C26.1@-75.057,50.038 -75.057,49.022 -74.295,48.26 -63.881,48.26 -60.96,45.339 -60.96,42.926 ; -65.024,40.693 C34.2@-63.373,40.693 -62.812,40.693 -60.96,42.545 -60.96,42.926
  Bottom Layer w1: C11.2@-93.635,77.978 -93.635,78.994 ; CON1.2@-90.678,103.505 -90.678,98.171 -93.546,95.303 C12.2@-93.546,92.329 -93.508,92.291 C11.2@-93.508,77.978 -93.472,77.978 -89.789,74.295 -79.614,74.295 ; v1(-85.075,60.325) -84.582,59.832 ; C54.1@-84.582,59.182 -84.582,59.832 ; -82.677,73.279 -82.535,73.137 ; v2(-82.535,69.596) -75.057,69.596 -73.01,67.549 v1(-73.01,64.135) -73.01,60.325 -76.327,60.325 -81.788,60.325 ; C27.1@-81.915,59.182 -81.915,60.198 -81.788,60.325 ; -79.614,72.009 -79.614,74.295 ; Q3.3@-77.267,82.126 -78.641,82.126 -79.614,81.153 -79.614,74.295 ; v1(-65.024,60.198) v1(-64.008,60.198) -63.881,60.325 -52.436,60.325 v1(-52.436,64.135) -52.436,66.294 -55.611,69.469 v2(-61.453,69.469) ; -61.453,73.167 -60.325,74.295 ; R40.1@-57.277,39.751 -56.589,40.439 C39.2@-54.102,40.439 ; Q4.3@-56.972,82.227 -58.728,82.227 -59.548,81.407 -59.548,74.295 ; v1(-43.942,60.071) v1(-42.926,60.071) -22.845,60.071 -22.591,60.325 -10.272,60.325 v1(-10.272,64.135) -10.272,67.056 -12.685,69.469 v2(-19.543,69.469) ; v2(-41.133,69.723) -35.672,69.723 -32.116,66.167 v1(-32.116,64.008) -32.116,60.833 v1(-31.623,60.833) ; -41.133,73.167 -40.005,74.295 ; Q7.3@-36.805,82.227 -38.154,82.227 -38.974,81.407 -38.974,74.295 ; Q8.3@-16.51,82.227 -18.85,82.227 -19.67,81.407 -19.67,74.295 -38.974,74.295 ; -84.582,59.832 -84.582,60.325 -81.788,60.325 ; -79.614,74.295 -60.325,74.295 ; -60.325,74.295 -59.548,74.295 ; -59.548,74.295 -40.005,74.295 ; -40.005,74.295 -38.974,74.295
  other v1: -72.644,42.926 -71.374,42.926 -51.181,57.785 -71.628,58.039 -71.628,59.055 -51.181,60.071 -71.628,60.198 -22.591,60.452 -65.024,61.087 -64.008,61.087 -51.181,61.087 -43.942,61.087 -42.926,61.087 -71.628,61.214 -94.996,76.835 -92.202,76.835 -94.996,79.375 -92.202,79.375
HV+: C11.1 C12.1 CON1.1 F1.2 Q1.2 Q2.2 Q5.2 Q6.2 | length 139.4
  Top Layer w0.5: F1.2@-91.059,55.298 -91.059,67.31 -88.9,69.469 -88.9,77.074 C11.1@-87.996,77.978
  Top Layer w1.778: C11.1@-88.034,77.978 C12.1@-88.034,92.329 -87.297,93.066 Q1.2@-74.727,93.066 Q2.2@-54.407,93.066 Q5.2@-34.239,93.066 Q6.2@-13.945,93.066
  Bottom Layer w1: C11.1@-87.996,77.978 -88.034,78.016 C12.1@-88.034,92.329 -87.757,92.329 -85.598,94.488 CON1.1@-85.598,103.505
IA: C19.2 Hall1.7 TP1.1 U5.8 | length 93.1
  Top Layer w0.254: v1(-66.279,67.31) -66.279,68.199 -64.12,70.358 v1(-64.12,76.2) ; C19.2@-23.495,49.276 v1(-21.971,49.276)
  Bottom Layer w0.254: v1(-66.279,67.31) -67.564,66.025 TP1.1@-67.564,63.5 -67.564,57.023 -62.865,52.324 -25.527,52.324 -22.479,49.276 v1(-21.971,49.276) -20.574,49.276 -19.431,48.133 -19.431,46.101 -19.681,45.851 U5.8@-19.681,44.558 ; v1(-64.12,76.2) -64.12,80.391 -61.961,82.55 -61.961,83.439
  Bottom Layer w0.508: Hall1.7@-65.263,88.392 -65.263,84.943 -64.902,84.582 -63.084,84.582 -61.961,83.459 -61.961,83.439